# Altium PCB uTCA_MCH_PCB3.pcbdoc (part 16 of 25) (continued)
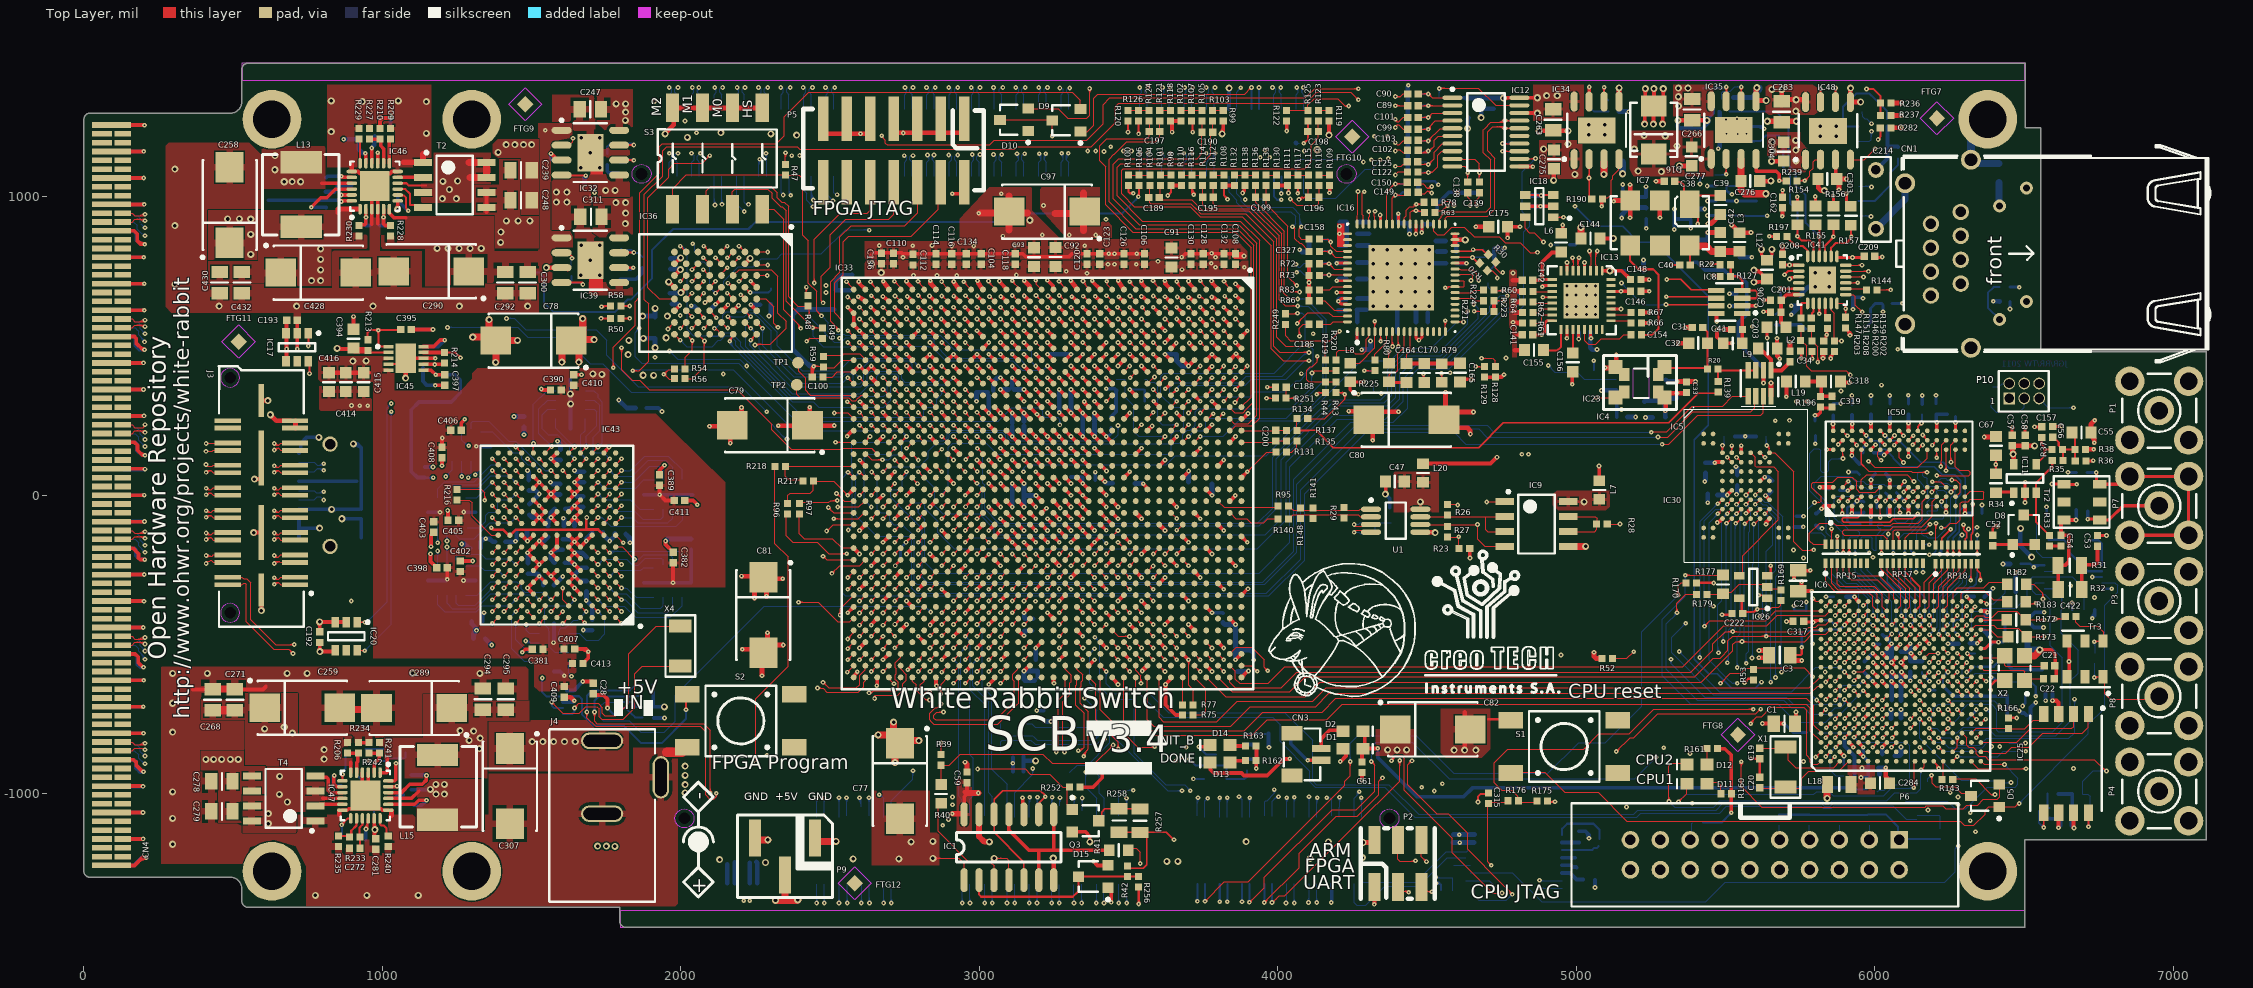
[diagram p0: Top Layer view]
## Nets (pads, with @x,y where several pads share a name; then routed paths per layer and width w, separated by ;. In a path a pad name is that pad's centre, name@x,y a point inside that pad or via, vN(x,y) a via of type N, cw(c..) or ccw(c..) an arc to the next point about the centre after c; other vN are vias at no path point) (continued)
  Bottom Layer w3.94: v1@3263.54,-1361.97 ccw(c3253.46,-1351.88) 3267.72,-1351.88 ccw(c3281.97,-1351.88) v1@3271.89,-1361.97 ; v1(3267.72,-1366.14) J2.45@3267.72,-1304.05
PE4: IC6.G7 J2.43 | length 3328.6
  Top Layer w3.94: v1(5992.83,-717.97) IC6.G7@6008.58,-702.22 ; v1@5992.83,-712.06 ccw(c5992.83,-697.81) 6002.92,-707.89 ccw(c6013,-717.97) v1@5998.74,-717.97
  MidLayer4 w3.94: v1@3312.75,-1361.96 ccw(c3302.67,-1351.88) 3316.92,-1351.88 ccw(c3331.18,-1351.88) v1@3321.1,-1361.96 ; v1(3316.92,-1366.14) 3316.92,-1161.41 3395.03,-1083.3 3590.77,-1083.3 3626.83,-1047.24 4297.06,-1047.24 4411.23,-933.07 5853.93,-933.07 5882,-905 5882,-805 5890,-797 5969,-797 5978,-788 5978,-732.8 v1(5992.83,-717.97) ; v1@5986.93,-717.97 cw(c5972.67,-717.97) 5982.75,-728.05 cw(c5992.83,-738.13) v1@5992.83,-723.87
  Bottom Layer w3.94: v1@3312.75,-1361.96 ccw(c3302.67,-1351.88) 3316.92,-1351.88 ccw(c3331.18,-1351.88) v1@3321.1,-1361.96 ; v1(3316.92,-1366.14) J2.43@3316.92,-1304.61
PE5: IC6.H5 J2.67 | length 3987.8
  Top Layer w3.94: v1(6024.33,-780.96) IC6.H5@6040.08,-765.21 ; v1@6024.33,-775.06 ccw(c6024.33,-760.8) 6034.41,-770.88 ccw(c6044.49,-780.96) v1@6030.24,-780.96
  MidLayer2 w3.94: v1@2679.13,-1360.23 ccw(c2679.13,-1350.71) 2685.86,-1357.44 ; v1@2681.1,-1366.14 cw(c2690.58,-1366.14) 2683.88,-1359.43 ; v1@2681.1,-1362.2 2706.69,-1336.61 2931.1,-1336.61 3007.87,-1259.84 ; v1@2685.03,-1366.14 cw(c2704.02,-1366.14) 2690.6,-1352.71 ; 3012.42,-1255.3 3007.87,-1259.84 ; v1@6024.33,-786.87 cw(c6024.33,-801.12) 6034.41,-791.04 cw(c6044.49,-780.96) v1@6030.24,-780.96 ; v1(6024.33,-780.96) 6041,-797.63 6041,-871 6020,-892 6020,-1037.09 5992.13,-1064.96 5595.16,-1064.96 5528.05,-997.85 4754.11,-997.85 4658.33,-1093.64 4483.13,-1093.64 4326.42,-1250.35 3622.76,-1250.35 3617.74,-1255.37 3012.35,-1255.37 3007.87,-1259.84
  Bottom Layer w3.94: v1@2674.95,-1361.96 ccw(c2662.01,-1349.02) 2680.31,-1349.02 ; v1@2680.31,-1364.95 J2.67@2680.31,-1303.74 ; 2680.31,-1354.75 ccw(c2690.52,-1354.75) v1@2683.3,-1361.96
  other v1: 2679.13,-1366.14
PE6: IC6.G3 J2.71 | length 3927.5
  Top Layer w3.94: v1(5992.83,-843.95) IC6.G3@6008.58,-828.2 ; v1@5992.83,-838.05 ccw(c5992.83,-823.79) 6002.92,-833.87 ccw(c6013,-843.95) v1@5998.74,-843.95
  MidLayer2 w3.94: v1(2604.33,-1366.14) 2663.39,-1307.09 2925.2,-1307.09 3095.75,-1136.54 4400.87,-1136.54 4474.42,-1062.98 4591.32,-1062.98 4685.8,-968.5 5584.96,-968.5 5653.9,-1037.44 5957.02,-1037.44 5992.83,-1001.63 v1(5992.83,-843.95) ; v1@2604.33,-1360.24 ccw(c2604.33,-1345.98) 2614.41,-1356.06 ccw(c2624.49,-1366.14) v1@2610.24,-1366.14 ; v1@5988.66,-848.13 cw(c5978.58,-858.21) 5992.83,-858.21 cw(c6007.09,-858.21) v1@5997.01,-848.13
  Bottom Layer w3.94: v1@2600.15,-1361.97 ccw(c2587.6,-1349.41) 2605.35,-1349.41 ; v1@2605.35,-1365.12 J2.71@2605.35,-1303.74 ; 2605.35,-1354.36 ccw(c2616.12,-1354.36) v1@2608.51,-1361.97
PE7: IC6.H6 J2.77 | length 4111
  Top Layer w3.94: v1(6024.33,-749.46) IC6.H6@6040.08,-733.72 ; v1@6024.33,-743.56 ccw(c6024.33,-729.3) 6034.41,-739.38 ccw(c6044.49,-749.46) v1@6030.24,-749.46
  MidLayer2 w3.94: v1@2478.35,-1364.17 v1(2480.32,-1366.14) 2507.87,-1366.14 2631.89,-1242.13 2907.48,-1242.13 3039.37,-1110.24 4308.3,-1110.24 4403.91,-1014.63 4564.44,-1014.63 4655.84,-923.23 5599.23,-923.23 5638,-962 5899,-962 5911.13,-949.87 5911.13,-775.87 5923,-764 5924,-765 6008.8,-765 v1(6024.33,-749.46) ; v1@2484.49,-1370.32 cw(c2494.57,-1380.4) 2494.57,-1366.14 cw(c2494.57,-1351.88) v1@2484.49,-1361.97 ; v1@6018.43,-749.46 cw(c6004.17,-749.46) 6014.25,-759.55 cw(c6024.33,-769.63) v1@6024.33,-755.37
  Bottom Layer w3.94: v1@2476.14,-1361.97 ccw(c2465.3,-1351.12) 2480.63,-1351.12 ; v1@2480.63,-1365.83 J2.77@2480.63,-1303.74 ; 2480.63,-1352.65 ccw(c2493.81,-1352.65) v1@2484.49,-1361.97
PE8: IC6.G6 J2.41 | length 3271.4
  Top Layer w3.94: v1(5992.83,-749.46) IC6.G6@6008.58,-733.72 ; v1@5992.83,-743.56 ccw(c5992.83,-729.3) 6002.92,-739.38 ccw(c6013,-749.46) v1@5998.74,-749.46
  MidLayer4 w3.94: v1@3338.34,-1361.96 ccw(c3328.26,-1351.88) 3342.51,-1351.88 ccw(c3356.77,-1351.88) v1@3346.69,-1361.96 ; v1(3342.51,-1366.14) 3342.51,-1218.49 3459.73,-1101.27 3593.67,-1101.27 3616.2,-1078.74 4281.62,-1078.74 4413.51,-946.85 5893.15,-946.85 5911,-929 5969,-929 6010,-888 6010,-766.63 v1(5992.83,-749.46) ; v1@5992.83,-755.37 cw(c5992.83,-769.63) 6002.92,-759.55 cw(c6013,-749.46) v1@5998.74,-749.46
  Bottom Layer w3.94: v1@3338.34,-1361.96 ccw(c3327.1,-1350.72) 3342.99,-1350.72 ; v1@3342.99,-1365.66 J2.41@3342.99,-1303.74 ; 3342.99,-1353.04 ccw(c3355.61,-1353.04) v1@3346.69,-1361.96
PE9: IC6.H7 J2.79 | length 4151.8
  Top Layer w3.94: v1(6024.33,-717.97) IC6.H7@6040.08,-702.22 ; v1@6024.33,-712.06 ccw(c6024.33,-697.81) 6034.41,-707.89 ccw(c6044.49,-717.97) v1@6030.24,-717.97
  MidLayer2 w3.94: v1(2454.72,-1366.14) 2523.62,-1297.24 2559.06,-1297.24 2659.45,-1196.85 2938.98,-1196.85 3035.43,-1100.39 4305.12,-1100.39 4407.98,-997.53 4491.95,-997.53 4578.06,-911.42 5610.42,-911.42 5646,-947 5869,-947 5881.6,-934.4 5881.6,-745.4 5894,-733 6009.3,-733 v1(6024.33,-717.97) ; v1@2454.72,-1360.23 ccw(c2454.72,-1345.98) 2464.8,-1356.06 ccw(c2474.88,-1366.14) v1@2460.62,-1366.14 ; v1@6018.43,-717.97 cw(c6004.17,-717.97) 6014.25,-728.05 cw(c6024.33,-738.13) v1@6024.33,-723.87
  Bottom Layer w3.94: v1@2450.54,-1361.96 ccw(c2438.74,-1350.16) 2455.43,-1350.16 ; v1@2455.43,-1365.43 J2.79@2455.43,-1303.74 ; 2455.43,-1353.6 ccw(c2467.25,-1353.6) v1@2458.9,-1361.96
PE10: IC6.H8 J2.33 | length 3365.9
  Top Layer w3.94: v1(6024.33,-686.47) IC6.H8@6040.08,-670.72 ; v1@6024.33,-680.57 ccw(c6024.33,-666.31) 6034.41,-676.39 ccw(c6044.49,-686.47) v1@6030.24,-686.47
  MidLayer4 w3.94: v1@3489.91,-1361.96 ccw(c3479.81,-1351.87) 3494.09,-1351.87 ; v1(3494.09,-1366.14) 3494.09,-1208.46 3553.55,-1149 3612.92,-1149 3628.12,-1133.8 4357.49,-1133.8 4442.08,-1049.21 4570.87,-1049.21 4616.08,-1004 5773.9,-1004 5809.63,-1039.73 6001.78,-1039.73 6103.26,-938.25 6103.26,-806.74 6039,-742.48 6039,-701.14 v1(6024.33,-686.47) ; 3494.09,-1351.9 ccw(c3508.33,-1351.9) v1@3498.26,-1361.96 ; v1@6024.33,-692.38 cw(c6024.33,-706.64) 6034.41,-696.55 cw(c6044.49,-686.47) v1@6030.24,-686.47
  Bottom Layer w3.94: v1@3489.91,-1361.96 ccw(c3482.67,-1354.72) 3492.91,-1354.72 ; v1@3492.91,-1364.96 J2.33@3492.91,-1303.74 ; 3492.91,-1349.05 ccw(c3511.18,-1349.05) v1@3498.26,-1361.96
PE11: IC6.G8 J2.47 | length 3384
  Top Layer w3.94: v1(5992.83,-686.47) IC6.G8@6008.58,-670.72 ; v1@5992.83,-680.57 ccw(c5992.83,-666.31) 6002.92,-676.39 ccw(c6013,-686.47) v1@5998.74,-686.47
  MidLayer4 w3.94: v1@3237.95,-1361.97 ccw(c3227.87,-1351.88) 3242.13,-1351.88 ccw(c3256.38,-1351.88) v1@3246.3,-1361.97 ; v1(3242.13,-1366.14) 3242.13,-1262.87 3272,-1233 3272,-1160.11 3417.59,-1014.52 3455.76,-1014.52 3500,-970.28 4286.84,-970.28 4349.64,-907.48 5807.52,-907.48 5816,-899 5816,-771 5856.24,-730.76 5892.24,-730.76 5936.53,-686.47 v1(5992.83,-686.47) ; v1@5988.66,-690.65 ccw(c5978.58,-700.73) 5978.58,-686.47 ccw(c5978.58,-672.22) v1@5988.66,-682.3
  Bottom Layer w3.94: v1@3237.95,-1361.97 ccw(c3226.16,-1350.17) 3242.83,-1350.17 ; v1@3242.83,-1365.43 J2.47@3242.83,-1303.74 ; 3242.83,-1353.6 ccw(c3254.67,-1353.6) v1@3246.3,-1361.97
PE12: IC6.J5 J2.35 | length 3223.1
  Top Layer w3.94: v1(6055.83,-780.96) IC6.J5@6071.58,-765.21 ; v1@6055.83,-775.06 ccw(c6055.83,-760.8) 6065.91,-770.88 ccw(c6075.99,-780.96) v1@6061.73,-780.96
  MidLayer4 w3.94: v1@3462.35,-1361.96 ccw(c3452.27,-1351.88) 3466.53,-1351.88 ccw(c3480.79,-1351.88) v1@3470.7,-1361.96 ; v1(3466.53,-1366.14) 3466.53,-1207.47 3537,-1137 3609.16,-1137 3627.69,-1118.47 4298.09,-1118.47 4379.16,-1037.4 4561.02,-1037.4 4610.24,-988.19 6035.61,-988.19 6074.88,-948.91 6074.88,-800.12 6074.93,-800.07 v1(6055.83,-780.96) ; v1@6055.83,-786.87 cw(c6055.83,-801.12) 6065.91,-791.04 cw(c6075.99,-780.96) v1@6061.73,-780.96
  Bottom Layer w3.94: v1@3462.35,-1361.96 ccw(c3449.4,-1349.01) 3467.72,-1349.01 ; v1@3467.72,-1364.95 J2.35@3467.72,-1303.74 ; 3467.72,-1354.75 ccw(c3477.92,-1354.75) v1@3470.7,-1361.96
PE13: IC6.H4 J2.39 | length 3176.9
  Top Layer w3.94: v1@6024.33,-812.45 IC6.H4@6040.08,-796.71 ; v1@6026.29,-806.55 ccw(c6026.29,-797.01) 6033.03,-803.76 ; v1@6028.26,-812.45 cw(c6037.73,-812.45) 6031.03,-805.76 ; v1@6032.19,-812.45 cw(c6051.17,-812.45) IC6.H4@6037.75,-799.04
  MidLayer4 w3.94: v1@3387.55,-1361.96 ccw(c3377.47,-1351.88) 3391.73,-1351.88 ccw(c3405.98,-1351.88) v1@3395.9,-1361.96 ; v1(3391.73,-1366.14) 3391.73,-1246.27 3523.66,-1114.34 3598.8,-1114.34 3620.58,-1092.56 4289.33,-1092.56 4372.05,-1009.84 4543.31,-1009.84 4590.55,-962.6 5961.4,-962.6 6041,-883 6041,-827.17 v1(6026.29,-812.45) ; v1@6026.29,-818.36 cw(c6026.29,-832.62) 6036.37,-822.54 cw(c6046.45,-812.45) v1@6032.19,-812.45
  Bottom Layer w3.94: v1@3387.55,-1361.96 ccw(c3374.98,-1349.39) 3392.76,-1349.39 ; v1@3392.76,-1365.11 J2.39@3392.76,-1303.74 ; 3392.76,-1354.37 ccw(c3403.49,-1354.37) v1@3395.9,-1361.96
PE14: IC6.J3 J2.37 | length 3153.6
  Top Layer w3.94: v1(6055.83,-843.95) IC6.J3@6071.58,-828.2 ; v1@6055.83,-838.05 ccw(c6055.83,-823.79) 6065.91,-833.87 ccw(c6075.99,-843.95) v1@6061.73,-843.95
  MidLayer4 w3.94: v1@3413.14,-1361.96 ccw(c3403.04,-1351.87) 3417.32,-1351.87 ; v1(3417.32,-1366.14) 3417.32,-1237.68 3531,-1124 3606.46,-1124 3626.8,-1103.66 4295.95,-1103.66 4375.98,-1023.62 4551.18,-1023.62 4598.43,-976.38 6008.62,-976.38 6055.83,-929.17 v1(6055.83,-843.95) ; 3417.32,-1351.9 ccw(c3431.56,-1351.9) v1@3421.49,-1361.96 ; v1@6051.65,-848.13 cw(c6041.57,-858.21) 6055.83,-858.21 cw(c6070.08,-858.21) v1@6060,-848.13
  Bottom Layer w3.94: v1@3413.14,-1361.96 ccw(c3403.06,-1351.88) 3417.32,-1351.88 ccw(c3431.57,-1351.88) v1@3421.49,-1361.96 ; v1(3417.32,-1366.14) J2.37@3417.32,-1304.38
PE15: IC6.J4 J2.65 | length 3910.6
  Top Layer w3.94: v1@6056.81,-811.48 IC6.J4@6071.58,-796.71 ; v1@6057.78,-806.55 ccw(c6057.78,-797.01) 6064.53,-803.76 ; v1@6059.75,-812.45 cw(c6069.22,-812.45) 6062.53,-805.76 ; v1@6063.69,-812.45 cw(c6082.66,-812.45) IC6.J4@6069.25,-799.04
  MidLayer2 w3.94: v1(2704.72,-1366.14) 2915.36,-1366.14 3016.38,-1265.12 4327.4,-1265.12 4484.14,-1108.38 4669.18,-1108.38 4681.1,-1096.46 4828.69,-1096.46 ; v1@2708.89,-1370.31 cw(c2718.98,-1380.4) 2718.98,-1366.14 cw(c2718.98,-1351.88) v1@2708.89,-1361.96 ; 4828.86,-1096.63 5053.78,-1096.63 5073.64,-1076.77 5513.68,-1076.77 ; 5513.7,-1076.8 5994.98,-1076.8 ; 5995,-1076.77 6022.23,-1076.77 6051,-1048 6051,-933 6073,-911 6073,-827.67 v1(6057.78,-812.45) ; v1@6055.83,-812.46 6056.28,-812 v1@6057.78,-812 ; v1@6057.78,-818.36 cw(c6057.78,-832.62) 6067.86,-822.54 cw(c6077.95,-812.45) v1@6063.69,-812.45
  Bottom Layer w3.94: v1@2700.54,-1361.96 ccw(c2688.55,-1349.97) 2705.51,-1349.97 ; v1@2705.51,-1365.35 J2.65@2705.51,-1303.74 ; 2705.51,-1353.8 ccw(c2717.06,-1353.8) v1@2708.89,-1361.96
PLL_CLK_OUT: P8.1 R65.1 Tr3.1 | length 384.2
  Top Layer w3.94: v1@6736.71,-611.83 cw(c6744.97,-620.09) 6744.97,-608.41 ; v1@6739.08,-609.23 6739.9,-608.41 Tr3.1@6769.5,-608.41 ; v1@6739.5,-614.62 cw(c6754.48,-629.6) Tr3.1@6754.48,-608.41 ; v1@6739.5,-606.26 ccw(c6744.68,-601.08) 6744.68,-608.41 ; Tr3.1@6770.47,-614.86 6770.47,-665.33 6789.28,-684.14 6941.69,-684.14 P8.1@6952.6,-673.23
  Bottom Layer w3.94: v1@6731.14,-606.26 ccw(c6716.04,-591.16) 6737.4,-591.16 ; v1@6733.93,-609.05 ccw(c6725.55,-600.67) 6737.4,-600.67 ; v1@6737.4,-608.86 R65.1@6737.4,-563.62 ; 6737.4,-601.2 ccw(c6744.56,-601.2) v1@6739.5,-606.26
  other v1: 6735.32,-610.44
PLL_CLKS.REF_CLK_N: IC16.47 IC33.H9 | length 1300.7
  Top Layer w3.94: IC33.H9@3602.36,374.02 v1(3622.05,393.7) ; v1@3616.14,393.7 cw(c3601.88,393.7) 3611.97,383.62 cw(c3622.05,373.54) v1@3622.05,387.8 ; v1@4282.78,1013.31 4282.78,939.74 4285.43,937.09 IC16.47@4285.43,908.46
  MidLayer4 w3.94: v1@3616.14,393.8 ccw(c3602.69,394.03) 3612.21,403.54 ; v1@3621.95,399.61 cw(c3621.72,413.05) 3612.21,403.54 ; v1(3622.05,393.7) 3612.2,403.54 ; v1@4289.4,1011.07 4288.27,1009.94 4288.27,958.88 4260.29,930.89 4155.36,930.89 3936,711.53 3936,475 3906.87,445.87 3791.14,445.87 3790.71,445.44 3768.34,445.44 3767.92,445.87 3695.49,445.87 3695.42,445.8 3635.17,445.8 3612.2,422.83 3612.2,403.54
  other v1: 4289.59,1016.89
PLL_CLKS.REF_CLK_P: IC16.48 IC33.J9 | length 1327.7
  Top Layer w3.94: IC33.J9@3562.99,374.02 v1@3582.68,393.7 ; 3573.46,384.49 cw(c3587,370.95) v1@3587,390.09 ; 3578.35,389.37 ccw(c3571.72,396) v1@3581.09,396 ; 3580.19,391.21 cw(c3587,384.39) v1@3587,394.03 ; IC16.48@4265.75,908.46 4265.75,936.75 4268.41,939.41 v1@4268.41,1013.31
  MidLayer4 w3.94: v1@3580.71,391.73 3598,409.02 ; v1@3587,401.91 ccw(c3587,411.28) 3593.63,404.65 ; v1@3588.97,396.06 cw(c3597.81,396.32) 3591.55,402.58 ; v1@3592.9,396.18 cw(c3610.32,396.7) 3598,409.02 ; v1@4271.04,1017.55 4274.07,1014.52 4274.07,964.76 4254.4,945.09 4149.47,945.09 3921.8,717.42 3921.8,480.88 3900.98,460.07 3785.25,460.07 3784.83,459.65 3774.23,459.65 3773.8,460.07 3689.6,460.07 3689.53,460 3629.28,460 3598,428.72 3598,409.02
  other v1: 3587,396 4268.64,1017.44
PLL_CONTROL.PLL_CS: IC16.17 IC33.AK18 | length 2373.3
  Top Layer w3.94: v1(2716.54,0) IC33.AK18@2736.22,19.69 ; v1@2716.54,5.91 ccw(c2716.54,20.16) 2726.62,10.08 ccw(c2736.7,0) v1@2722.44,0 ; IC16.17@4593.5,580.71 v1(4622.05,580.71) ; v1@4617.87,576.53 ccw(c4607.79,566.45) 4607.79,580.71 ccw(c4607.79,594.97) v1@4617.87,584.88
  MidLayer1 w3.94: v1(2716.54,0) 2773.54,57 2846,57 2853,64 2853,89 2862,98 3129,98 v1(3148,79) ; v1@2716.54,5.91 ccw(c2716.54,20.16) 2726.62,10.08 ccw(c2736.7,0) v1@2722.44,0 ; v1@3142.09,79 ccw(c3127.84,79) 3137.92,89.08 ccw(c3148,99.16) v1@3148,84.91
  Bottom Layer w3.94: v1@3144.75,83.93 ccw(c3140.8,89.95) 3148,89.95 ; v1(3148,79) 3148,89.95 ; v1@3151.25,83.93 cw(c3155.2,89.95) 3148,89.95 ; 3189.13,102.99 3626.81,102.99 3655.71,131.89 3766.62,131.89 3791.34,131.89 ; 3197.05,102.95 3161,102.95 3148,89.95 ; 3791.38,131.93 3960.27,131.93 3983.34,155 3983.45,155 4279.45,451 4377,451 4418,492 4513,492 4601.71,580.71 v1(4622.05,580.71) ; v1@4617.87,576.53 ccw(c4607.79,566.45) 4607.79,580.71 ccw(c4607.79,594.97) v1@4617.87,584.88
PLL_CONTROL.PLL_LOCK: IC33.AF18 R219.2 R220.2 | length 1805.7
  Top Layer w3.94: v1(2874.02,0) IC33.AF18@2893.7,19.69 ; v1@2874.02,5.91 ccw(c2874.02,20.16) 2884.1,10.08 ccw(c2894.18,0) v1@2879.92,0 ; v1(4114.17,409.45) 4121.65,416.93 ; v1@4115.54,415.19 ccw(c4117.04,421.54) 4121.65,416.93 ; v1@4119.92,410.81 cw(c4126.26,412.32) 4121.65,416.93 ; R219.2@4155.51,416.93 4121.65,416.93 ; R219.2@4159.45,417.32 R220.2@4198.82,417.32
  Bottom Layer w3.94: v1@2874.02,5.91 ccw(c2874.02,10.47) 2877.24,7.24 ; v1@2875.2,-1.54 2875.2,1.18 v1(2874.02,0) 2874.02,4.02 2895,25 2895,160 2910,175 3023,175 3060,138 3631,138 3642,149 3642,165 3651,174 3678,174 3682,178 3682,202 3697,217 3707,217 3724,234 3724,278.92 3734.45,289.37 3951.18,289.37 ; v1@2875.98,0 cw(c2890.43,0) 2880.22,10.22 ; v1@2879.92,0 cw(c2903.87,0) 2886.94,16.94 ; 3951.32,289.38 4042.71,289.38 4114.17,360.84 v1@4114.17,407.4 ; v1@4110,405.27 cw(c4099.92,395.19) 4114.17,395.19 cw(c4128.43,395.19) v1@4118.35,405.27
PLL_CONTROL.PLL_REFSEL: IC16.7 IC33.AK16 | length 2167.8
  Top Layer w3.94: v1@2716.54,112.2 cw(c2716.54,97.95) 2726.62,108.03 cw(c2736.7,118.11) v1@2722.44,118.11 ; v1(2716.54,118.11) IC33.AK16@2736.22,98.43 ; v1@4379.68,502.49 ccw(c4369.6,512.57) 4383.86,512.57 ccw(c4398.12,512.57) v1@4388.03,502.49 ; v1@4383.86,500 IC16.7@4383.86,551.18
  MidLayer4 w3.94: v1@4118.11,535.43 cw(c4118.11,521.18) 4128.19,531.26 cw(c4138.27,541.34) v1@4124.02,541.34 ; v1(4118.11,541.34) 4137.45,522 4236,522 4258,544 4338.17,544 v1(4383.86,498.31) ; v1@4377.95,498.31 ccw(c4363.7,498.31) 4373.78,508.39 ccw(c4383.86,518.47) v1@4383.86,504.22 ; v1@4385.83,498.03 v1@4385.83,498.31
  MidLayer3 w3.94: v1(2716.54,118.11) 2741.26,142.83 2768.69,142.83 2809.35,183.49 3746.81,183.49 3762.65,199.33 3779.37,199.33 3817.22,237.18 3915.86,237.18 4029.65,350.97 4029.65,455.05 v1@4116.95,542.35 ; v1@2716.54,124.02 ccw(c2716.54,138.27) 2726.62,128.19 ccw(c2736.7,118.11) v1@2722.44,118.11 ; 4104.32,529.72 cw(c4118.11,515.93) v1@4118.11,535.43 ; 4109.56,534.96 ccw(c4103.19,541.34) v1@4112.2,541.34 ; 4111.04,536.44 cw(c4118.11,529.38) v1@4118.11,539.37 ; v1@4116.14,535.93 v1@4116.14,543.31
PLL_CONTROL.PLL_RESET: IC16.23 IC16.24 IC33.AL16 R249.2 | length 2908.7
  Top Layer w3.94: v1(2677.17,78.74) IC33.AL16@2696.85,98.43 ; v1@2677.17,84.65 ccw(c2677.17,98.9) 2687.25,88.82 ccw(c2697.33,78.74) v1@2683.07,78.74 ; R249.2@4025.71,608.06 v1@4065.52,608.06 ; 4048.63,608.06 ccw(c4048.63,626.8) v1@4061.89,613.55 ; 4054.98,608.06 cw(c4054.98,598.28) v1@4061.89,605.19 ; 4058.14,608.06 ccw(c4058.14,617.29) v1@4064.67,610.76 ; v1@4561.02,698.82 IC16.23@4593.5,698.82 ; v1@4562.42,693.49 cw(c4575.28,680.63) 4575.28,698.82 ; v1@4565.2,690.71 cw(c4584.78,671.12) IC16.23@4584.78,698.82 ; IC16.24@4593.5,718.5 4620.77,718.5 4624.48,714.79 4624.48,700.54 4622.35,698.41 IC16.23@4603.48,698.41
  MidLayer1 w3.94: v1(4561.02,694.88) v1@4561.91,694
  MidLayer4 w3.94: v1@4066.93,610.24 4518.7,610.24 4561.02,652.56 v1(4561.02,694.88) ; v1@4070.24,605.19 cw(c4082.41,593.02) 4082.41,610.24 ; v1@4070.24,613.55 ccw(c4078.23,621.54) 4078.23,610.24 ; v1@4556.85,690.71 cw(c4546.77,680.62) 4561.02,680.62 cw(c4575.28,680.62) v1@4565.2,690.71
  Bottom Layer w3.94: v1@2677.17,80.71 ccw(c2677.17,89.93) 2683.68,83.41 ; v1@2677.17,84.65 ccw(c2677.17,103.37) 2690.41,90.13 ; v1@2679.02,78.74 2696.3,96.02 2800.24,96.02 2829.37,125.16 2829.37,147.05 2854.53,172.2 2879.99,172.2 2899.6,191.82 2899.6,202.56 2907.68,210.63 3021,210.63 3076.57,210.63 3088,199.2 3088,188.46 3103.94,172.52 3632.52,172.52 3642,182 3642,202 3656,216 3675,216 3684,225 3684,284 3674,294 3649,294 3608.27,334.73 3608.27,399.41 3618.31,409.45 3987.48,409.45 4092.24,514.21 4092.24,599.17 4081.61,609.8 v1@4068.03,609.8 ; v1@2683.07,78.74 cw(c2692.86,78.74) 2685.94,85.66 ; v1@4070.24,605.19 cw(c4081.37,594.07) 4081.37,609.8 ; v1@4070.24,613.55 ccw(c4079.27,622.58) 4079.27,609.8
  other v1: 4066.06,609.37
PLL_CONTROL.PLL_SCLK: IC16.16 IC33.AE16 | length 1999.8
  Top Layer w3.94: IC33.AE16@2933.07,98.43 v1(2952.76,78.74) ; v1@2946.85,78.74 ccw(c2932.59,78.74) 2942.67,88.82 ccw(c2952.76,98.9) v1@2952.76,84.65 ; v1@4556.85,580.47 cw(c4546.77,570.39) 4561.02,570.39 cw(c4575.28,570.39) v1@4565.2,580.47 ; IC16.16@4561.02,553.15 v1(4561.02,584.65)
  MidLayer4 w3.94: v1(4561.02,584.65) v1@4562.99,586.61
  MidLayer3 w3.94: v1(2952.76,78.74) 2952.76,79.58 2969.66,96.48 3858.09,96.48 3884.75,123.14 3884.75,123.41 ; v1@2952.76,84.65 ccw(c2952.76,96.89) 2961.41,88.23 ; v1@2958.66,78.74 cw(c2974.94,78.74) 2963.43,90.25 ; 3884.84,123.41 3901.47,140.04 3912.48,140.04 3924.62,152.18 3963.98,191.54 4008.39,235.95 4049.07,235.95 4206.49,393.37 4303.38,393.37 4325.66,415.65 4325.66,466.31 4444,584.65 v1(4561.02,584.65) ; v1@4556.85,580.47 ccw(c4546.77,570.39) 4546.77,584.65 ccw(c4546.77,598.9) v1@4556.85,588.82
PLL_CONTROL.PLL_SDI: IC33.AH19 R222.2 R224.2 | length 3071.4
  Top Layer w3.94: v1(2795.28,-39.37) IC33.AH19@2814.96,-19.68 ; v1@2795.28,-33.46 ccw(c2795.28,-19.21) 2805.36,-29.29 ccw(c2815.44,-39.37) v1@2801.18,-39.37 ; R224.2@4734.25,685.04 v1(4753.94,685.04) ; v1@4749.76,680.86 ccw(c4739.68,670.78) 4739.68,685.04 ccw(c4739.68,699.3) v1@4749.76,689.22
  Bottom Layer w3.94: v1@2791.1,-43.55 cw(c2781.02,-53.63) 2795.28,-53.63 cw(c2809.53,-53.63) v1@2799.45,-43.55 ; v1(2795.28,-39.37) 2795.28,-59.25 2817,-80.98 2817,-225 2853,-261 3937,-261 4040,-158 4040,95.98 4199.02,255 4359.33,255 4420,315.67 4420,391 4464,435 4566.27,435 4759.27,628 4796,628 4810,642 4810,667 4791,686 4754.9,686 v1(4753.94,685.04) ; v1@2796.69,-44.01 v1@2796.69,-38.39 ; R222.2@4705.17,712.68 4705.17,696.54 4715.82,685.89 v1@4754.43,685.89 ; v1@4758.11,680.86 cw(c4770.51,668.46) 4770.51,686 ; v1@4758.11,689.22 ccw(c4765.88,696.98) 4765.88,686
PLL_CONTROL.PLL_SDO: IC33.AJ19 R221.2 R223.2 | length 2804.3
  Top Layer w3.94: R223.2@4724.41,651.57 v1@4757.87,651.57 ; 4738.94,651.57 cw(c4738.94,631.94) v1@4752.82,645.82 ; 4746.54,651.57 ccw(c4746.54,660.46) v1@4752.82,654.18 ; 4748.45,651.57 cw(c4748.45,641.45) v1@4755.61,648.61
  Top Layer w6.89: v1@2757,-43 2775.59,-24.41 IC33.AJ19@2775.59,-19.68 ; v1@2759,-37.57 ccw(c2759,-29.29) 2764.85,-35.15 ; v1@2763.43,-42 cw(c2776.54,-42) 2767.27,-32.73
  Top Layer w12.6: R221.2@4724.41,616.14 R223.2@4724.41,651.57
  Bottom Layer w3.94: 3902,-179 3931.43,-179 4028,-82.43 4028,109.76 4186.24,268 4352.43,268 4408.43,324 4408.43,404.43 4449.41,445.41 4554.41,445.41 4722,613 4722,630 4742,650 v1(4757,650) 4757,650.7 4757.87,651.57 v1@4757,651.57 ; v1@4752.82,645.82 ccw(c4742.74,635.74) 4742.74,650 ccw(c4742.74,664.26) v1@4752.82,654.18
  Bottom Layer w4: v1(2759,-42) 2776,-25 2809,-25 2817,-33 2817,-44 2860.2,-87.2 2860.2,-123.83 2915.37,-179 3902,-179 ; v1@2759,-36.13 ccw(c2759,-21.94) 2769.03,-31.97 ccw(c2779.06,-42) v1@2764.87,-42
PLL_CONTROL.PLL_STAT: IC33.AD15 R225.2 R226.2 | length 1670
  Top Layer w3.94: v1@2954.23,116.12 v1(2954.23,119.58) IC33.AD15@2972.44,137.8 ; v1@2954.23,125.49 ccw(c2954.23,139.75) 2964.31,129.67 ccw(c2974.39,119.58) v1@2960.14,119.58 ; v1(4289.37,417.32) R225.2@4324.8,417.32 ; v1@4293.55,413.15 cw(c4303.63,403.07) 4303.63,417.32 cw(c4303.63,431.58) v1@4293.55,421.5
  MidLayer4 w3.94: v1@4287.4,415.35 v1(4289.37,417.32) v1@4291.34,419.29
  MidLayer3 w3.94: v1(2954.23,119.58) 2973.4,138.75 3865.65,138.75 3879.76,152.86 3879.76,174.79 3896.21,191.24 3928.33,191.24 4031.74,294.65 4059.93,294.65 4182.55,417.27 v1@4289.08,417.27 ; v1@2954.23,125.49 ccw(c2954.23,139.75) 2964.31,129.67 ccw(c2974.39,119.58) v1@2960.14,119.58 ; 4274.99,417.27 ccw(c4274.99,431.71) v1@4285.19,421.5 ; 4275.24,417.27 cw(c4275.24,403.19) v1@4285.19,413.15
  Bottom Layer w6.89: v1@4290.59,416.1 R226.2@4318.15,416.1 ; v1@4292.5,420.45 ccw(c4303.01,430.96) 4303.01,416.1
PLL_CONTROL.PLL_SYNC: IC16.8 IC33.AG18 | length 1974.1
  Top Layer w3.94: v1(2834.65,0) IC33.AG18@2854.33,19.69 ; v1@2834.65,5.91 ccw(c2834.65,20.16) 2844.73,10.08 ccw(c2854.81,0) v1@2840.55,0 ; v1@4399.37,502.21 ccw(c4389.29,512.29) 4403.54,512.29 ccw(c4417.8,512.29) v1@4407.72,502.21 ; v1(4403.54,498.03) IC16.8@4403.54,555.12
  MidLayer3 w3.94: v1(2834.65,0) 2860.24,25.59 3681.91,25.59 3720.58,64.26 3904.61,64.26 4200.72,360.37 4305.22,360.37 4402.86,458.01 v1@4402.86,495.93 ; v1@2834.65,5.91 ccw(c2834.65,20.16) 2844.73,10.08 ccw(c2854.81,0) v1@2840.55,0 ; v1@4399.37,493.86 cw(c4390.94,485.42) 4402.86,485.42 ; 4402.86,482.12 cw(c4419.45,482.12) v1@4407.72,493.86 ; v1@4403.54,494.29 v1(4403.54,498.03)
PPS_OUT: IC1.5 IC1.9 IC1.12 IC33.U23 | length 1766.3
  Top Layer w4.92: IC1.12@3049.02,-1069.25 3049.02,-1018.9 3078.72,-989.2 3204.63,-989.2 3220.52,-1005.09 v1@3220.52,-1008.52 ; IC1.12@3049.22,-1087.63 3049.22,-1129.02 3149.02,-1228.82 IC1.5@3149.02,-1289.25 ; IC1.9@3198.52,-1058.88 3198.52,-1032.23 v1(3221.01,-1009.74) ; v1(3229,-198) 3248.03,-178.97 IC33.U23@3248.03,-177.17 IC33.U23@3247.83,-177.17 ; v1@3229,-192.59 ccw(c3229,-179.52) 3238.24,-188.76 ccw(c3247.48,-198) v1@3234.41,-198
  MidLayer3 w4.92: 3193.14,-965.73 3221.01,-993.6 v1(3221.01,-1009.74) ; 3193.14,-965.72 3155.62,-928.2 3155.62,-778.93 3012.02,-635.33 3012.02,-579.26 3004.15,-571.39 2985.81,-571.39 2975.85,-561.43 2975.85,-337.11 2984.71,-328.25 3008.75,-328.25 3015,-322 3015,-228 3028,-215 3212,-215 v1(3229,-198) ; v1@3223.59,-198 cw(c3210.52,-198) 3219.76,-207.24 cw(c3229,-216.48) v1@3229,-203.41
PROGRAM_B: D9.3 D10.3 IC33.L8 IC36.D4 R55.1 | length 3948
  Top Layer w3.94: v1(2116.14,677.17) IC36.D4@2135.83,696.85 ; v1@2116.14,683.07 ccw(c2116.14,697.33) 2126.22,687.25 ccw(c2136.31,677.17) v1@2122.05,677.17 ; D10.3@3068.9,1257.87 D9.3@3238.19,1257.87 ; v1@3239.92,1206.93 ccw(c3229.84,1217.01) 3244.09,1217.01 ccw(c3258.35,1217.02) v1@3248.27,1206.93 ; v1(3244.09,1202.76) D9.3@3244.09,1255.91 ; IC33.L8@3484.25,413.39 v1(3503.94,433.07) ; v1@3498.03,433.07 cw(c3483.77,433.07) 3493.86,422.99 cw(c3503.94,412.91) v1@3503.94,427.17
  MidLayer2 w3.94: 2617.19,899.77 ccw(c2630.91,913.48) v1@2630.91,894.09 ; 2622.33,894.64 cw(c2615.88,888.19) v1@2625,888.19 ; 2623.92,893.05 ccw(c2630.91,900.04) v1@2630.91,890.16 ; v1@2631.85,885.12 2575.67,941.3 2575.67,1220.39 2620.24,1264.96 3181.89,1264.96 v1(3244.09,1202.76) ; v1@3238.19,1202.76 ccw(c3223.93,1202.76) 3234.01,1212.84 ccw(c3244.09,1222.92) v1@3244.09,1208.66
  MidLayer3 w3.94: v1@2116.14,683.07 ccw(c2116.14,693.34) 2123.4,686.08 ; v1@2116.22,678.9 2130.6,693.28 2277.23,693.28 2386.89,583.62 2386.89,532.02 2437.49,481.43 2457.35,481.43 2529.76,409.02 3480.63,409.02 v1@3502.52,430.91 ; v1@2122.05,677.17 cw(c2140.3,677.17) 2127.39,690.07 ; 3493.33,421.71 ccw(c3481.97,433.07) v1@3498.03,433.07 ; 3495.13,423.52 cw(c3503.94,414.71) v1@3503.94,427.17
  Bottom Layer w3.94: R55.1@2044.8,781.42 2077.24,781.42 2097.24,761.42 2097.24,696.06 v1(2116.14,677.17) 2143.7,704.72 2143.7,716.34 2192.24,764.88 2242.2,764.88 2265.98,788.66 ; 2097.24,695.75 v1@2114.33,678.66 ; 2105.52,687.47 ccw(c2116.14,698.09) v1@2116.14,683.07 ; 2106.28,686.71 cw(c2096.74,677.17) 2110.24,677.17 ccw(c2095.98,677.17) 2106.06,687.25 ccw(c2116.14,697.33) v1@2116.14,683.07 ; v1@2122.05,677.17 cw(c2136.3,677.17) 2126.22,687.25 cw(c2116.14,697.33) v1@2116.14,683.07 ; 2265.98,788.74 2269.25,792.01 2322.2,792.01 2338.66,808.46 2470.67,808.46 2552.01,889.8 2629.29,889.8 v1(2630.91,888.19) ; 2612.75,889.8 cw(c2612.75,870.04) v1@2626.73,884.01 ; 2620.55,889.8 ccw(c2620.55,898.55) v1@2626.73,892.36 ; 2622.26,889.8 cw(c2622.26,879.54) v1@2629.51,886.8